# Altium PCB SFPP.PcbDoc (part 3 of 4)
Units mil, origin at the board's own origin, x right, y up, seen from the top; angles counter-clockwise.
Board outline 3543.31 x 4228.35 mil, 8 copper layers (L1_S1, L2_PGND, L3_S2, L4_P1V2, L5_P1V8, L6_S3, L7_PGND, L8_S4), stack 62.6 mil thick; 267 components, 253 nets, 1402 pads, 830 vias.
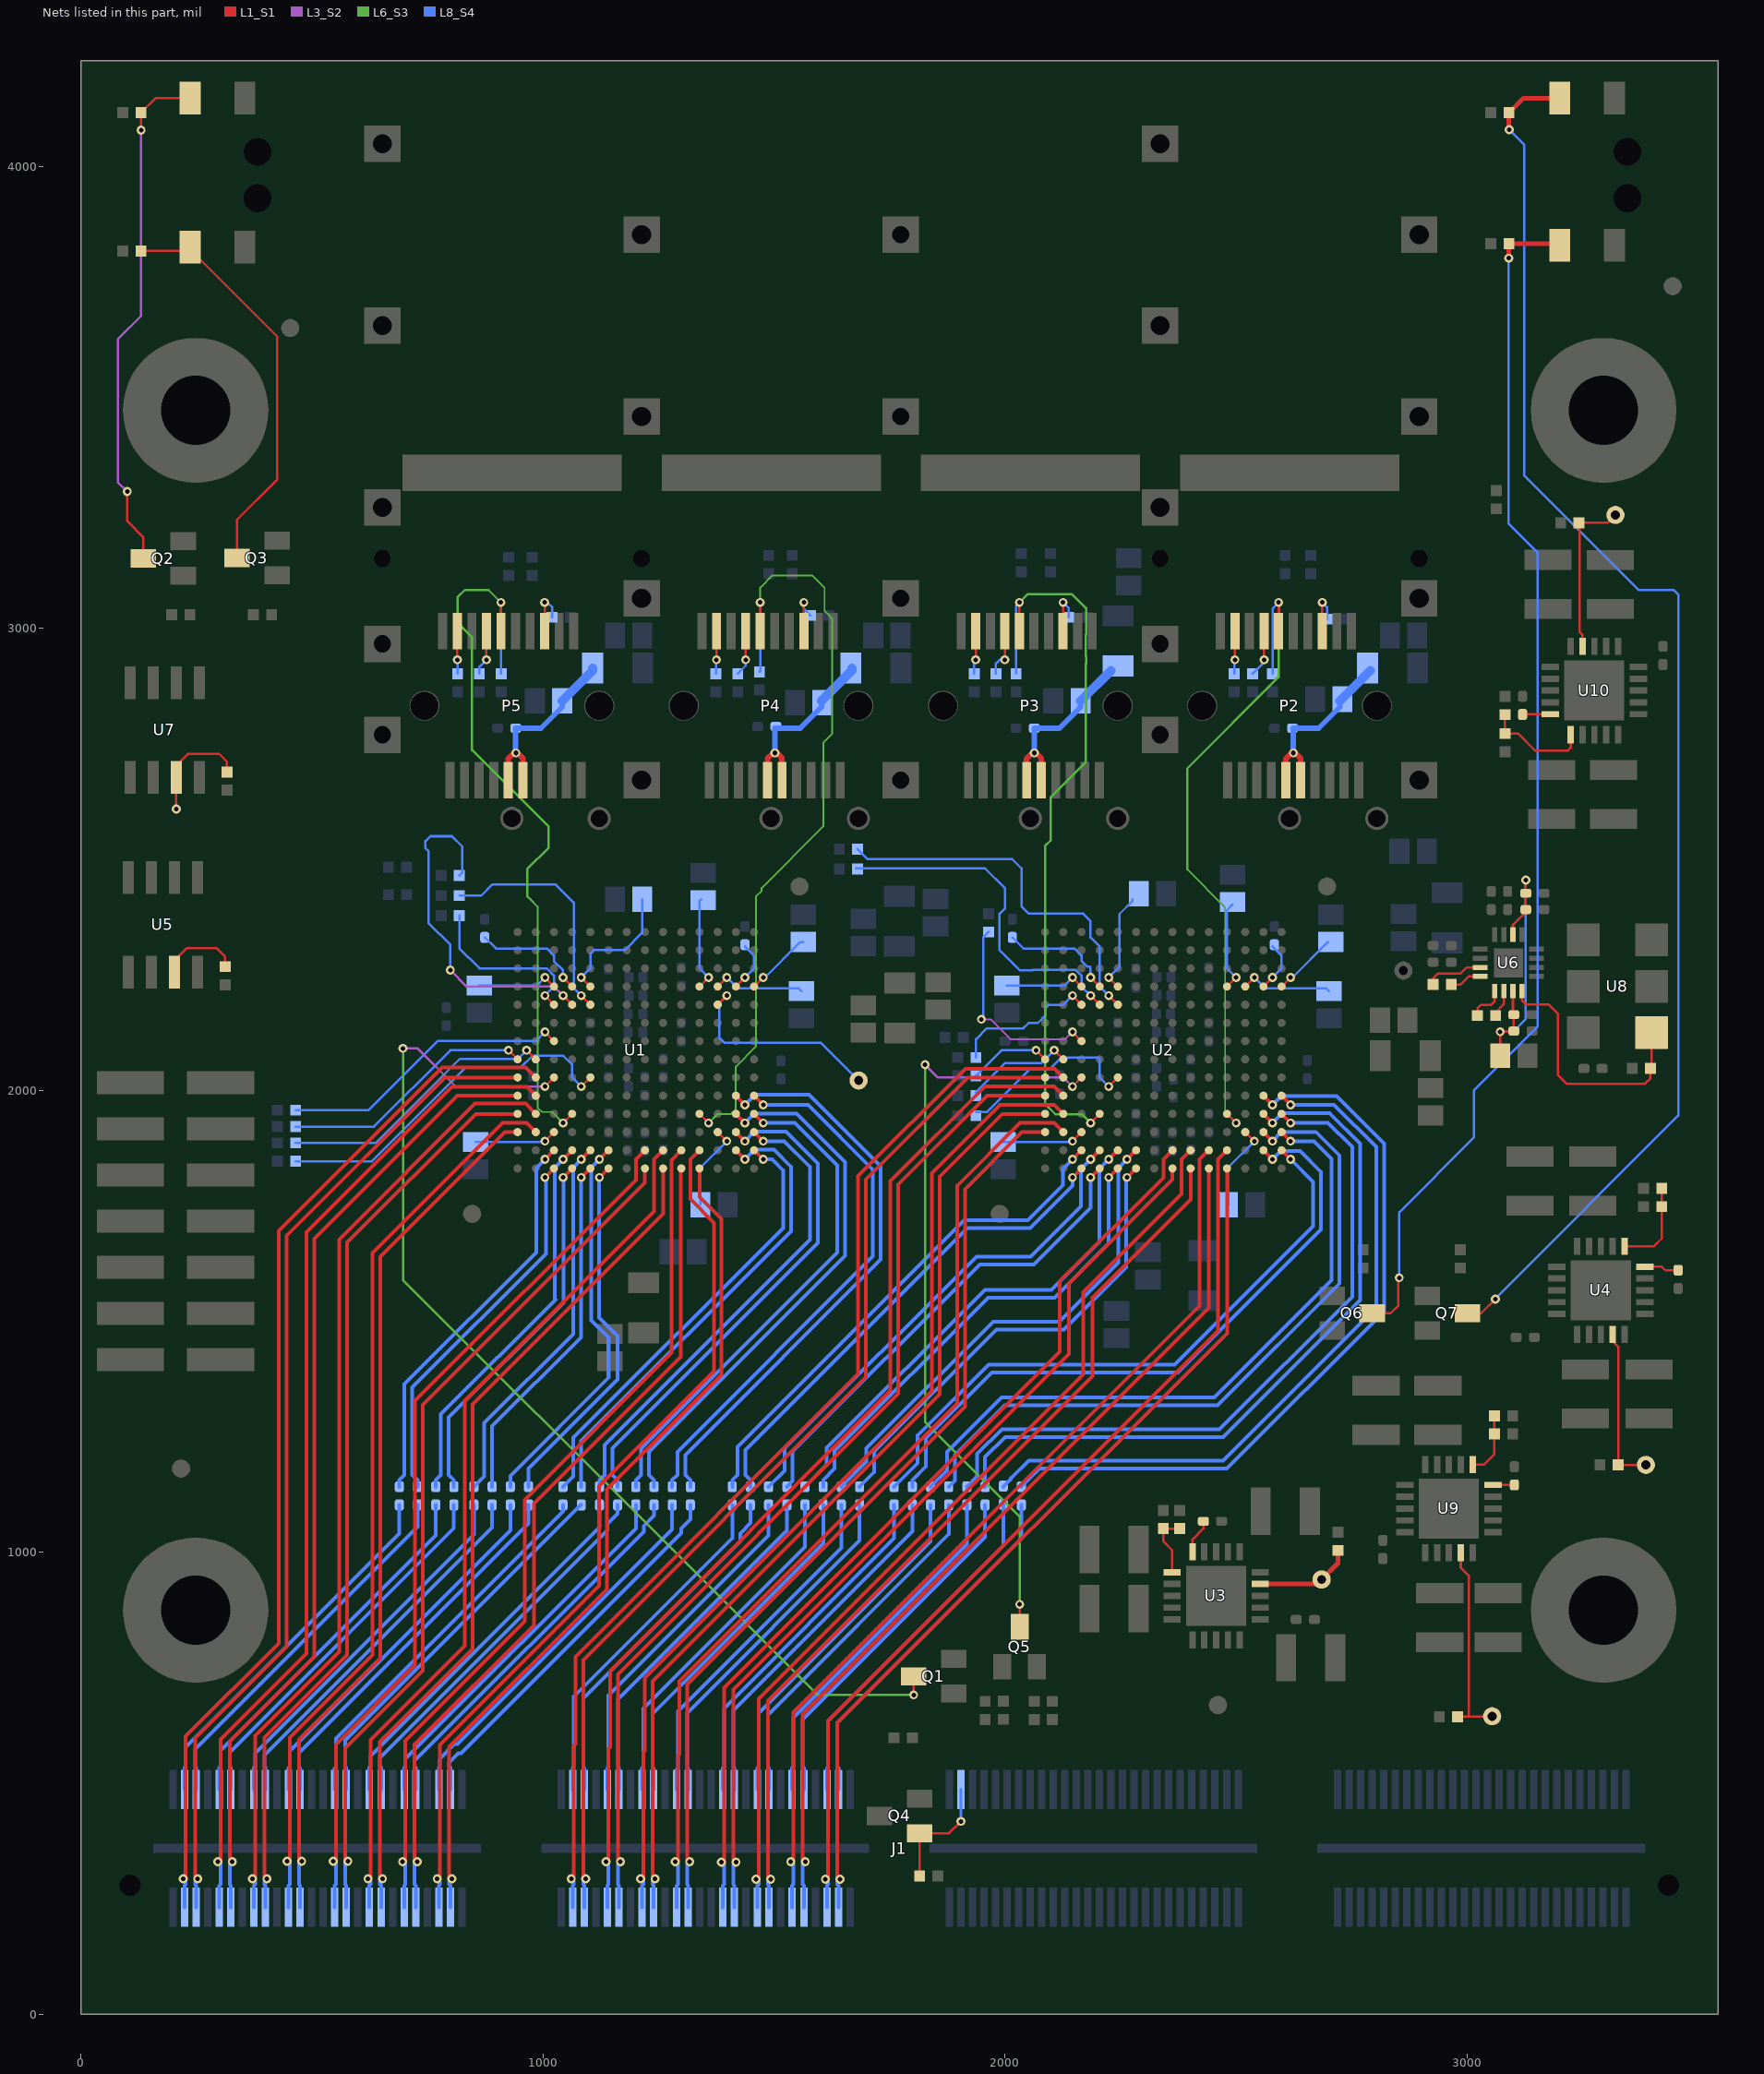
[diagram p9: the nets of this part, all layers, seen from the top]

## Via types
v1: diameter 19.4, hole 10, L1_S1 to L8_S4, tented both sides, 408 vias
v2: diameter 19.4, hole 10, L1_S1 to L8_S4, 170 vias
v3: diameter 19.4, hole 10, L1_S1 to L8_S4, tented bottom, 153 vias
v4: diameter 39.37, hole 19.68, L1_S1 to L8_S4, 44 vias
v5: diameter 25.98, hole 12.99, L1_S1 to L8_S4, tented top, 36 vias
v6: diameter 39.37, hole 19.68, L1_S1 to L8_S4, tented bottom, 11 vias
v7: diameter 20, hole 10, L1_S1 to L8_S4, tented top, 4 vias
v8: diameter 39.37, hole 19.68, L1_S1 to L8_S4, tented top, 2 vias
v9: diameter 19.4, hole 10, L1_S1 to L8_S4, tented top, 1 vias
v10: diameter 39.37, hole 19.68, L1_S1 to L8_S4, tented both sides, 1 vias

## Nets (pads, with @x,y where several pads share a name; then routed paths per layer and width w, separated by ;. In a path a pad name is that pad's centre, name@x,y a point inside that pad or via, vN(x,y) a via of type N, cw(c..) or ccw(c..) an arc to the next point about the centre after c; other vN are vias at no path point) (continued)
MDIO_MODE_EN: J1.C17 Q4.1 R11.2 | length 250.6
  L1_S1 w5: R11.2@1814.96,299.21 Q4.1@1814.96,391.73 1878.73,391.73 v1(1904.29,417.29)
  L8_S4 w6: 1904.29,428.29 J1.C17@1904.29,486.5
MGT_RX_N0: J1.A7 U1.B3 | length 1974.2
  L1_S1 w8: v3(446.09,331) 451.69,336.6 451.69,598.73 631,778.04 631,1647.91 912.23,1929.13 964.57,1929.13 U1.B3@984.25,1909.45
  L8_S4 w8: v3(446.09,331) 451.69,325.4 451.69,280.74 449.29,278.34 J1.A7@449.29,231.5
MGT_RX_N1: J1.A5 U1.B4 | length 2082.9
  L1_S1 w8: v3(371.09,293) 376.69,298.6 376.69,602.73 559,785.04 559,1677.11 852.89,1971 962.07,1971 U1.B4@984.25,1948.82
  L8_S4 w8: v3(371.09,293) 376.69,287.4 376.69,280.74 374.29,278.34 J1.A5@374.29,231.5
MGT_RX_N2: J1.A3 U1.B5 | length 2178.3
  L1_S1 w8: v3(296.09,330) 301.69,335.6 301.69,594.73 488,781.04 488,1692.72 802.28,2007 965.44,2007 U1.B5@984.25,1988.19
  L8_S4 w8: v3(296.09,330) 301.69,324.4 301.69,280.74 299.29,278.34 J1.A3@299.29,231.5
MGT_RX_N3: J1.A1 U1.B6 | length 2270.3
  L1_S1 w8: v3@226.69,293 v3(221.09,293) 226.69,298.6 226.69,601.73 428,803.04 428,1695.72 781.28,2049 962.81,2049 U1.B6@984.25,2027.56
  L8_S4 w8: v3(221.09,293) 226.69,287.4 226.69,280.74 224.29,278.34 J1.A1@224.29,231.5
MGT_RX_N4: J1.A15 U1.L2 | length 1919.4
  L1_S1 w8: v3(771.09,293) 776.69,298.6 776.69,582.73 1121,927.04 1121,1143.04 1370.08,1392.12 1370.08,1712.92 1318.9,1764.1 1318.9,1850.39 U1.L2@1338.58,1870.08
  L8_S4 w8: v3(771.09,293) 776.69,287.4 776.69,280.74 774.29,278.34 J1.A15@774.29,231.5
MGT_RX_N5: J1.A13 U1.K2 | length 1891.7
  L1_S1 w8: v3(696.09,330) 701.69,335.6 701.69,591.97 960,850.28 960,1113.54 1278,1431.54 1278,1848.87 U1.K2@1299.21,1870.08
  L8_S4 w8: v3(696.09,330) 701.69,324.4 701.69,280.74 699.29,278.34 J1.A13@699.29,231.5
MGT_RX_N6: J1.A11 U1.J2 | length 1906.5
  L1_S1 w8: v3(621.09,293) 626.69,298.6 626.69,593.73 831,798.04 831,1328.11 1240.16,1737.27 1240.16,1850.39 U1.J2@1259.84,1870.08
  L8_S4 w8: v3(621.09,293) 626.69,287.4 626.69,280.74 624.29,278.34 J1.A11@624.29,231.5
MGT_RX_N7: J1.A9 U1.H2 | length 1921.2
  L1_S1 w8: v3(546.09,331) 551.69,336.6 551.69,584.02 723,755.34 723,1328 1200.79,1805.79 1200.79,1850.39 U1.H2@1220.47,1870.08
  L8_S4 w8: v3(546.09,331) 551.69,325.4 551.69,280.74 549.29,278.34 J1.A9@549.29,231.5
MGT_RX_N8: J1.B7 U2.B3 | length 2112
  L1_S1 w8: v3(1286.09,330) 1291.69,335.6 1291.69,559.25 1294.89,562.45 1294.89,720.93 1896,1322.04 1896,1793.04 2032.09,1929.13 2106.3,1929.13 U2.B3@2125.98,1909.45
  L8_S4 w8: v3(1286.09,330) 1291.69,324.4 1291.69,280.74 1289.29,278.34 J1.B7@1289.29,231.5
MGT_RX_N9: J1.B5 U2.B4 | length 2213
  L1_S1 w8: v3@1216.69,293 v3(1211.09,293) 1216.69,298.6 1216.69,566.84 1219.89,570.04 1219.89,727.93 1841,1349.04 1841,1820.04 1989.46,1968.5 2106.3,1968.5 U2.B4@2125.98,1948.82
  L8_S4 w8: v3(1211.09,293) 1216.69,287.4 1216.69,280.74 1214.29,278.34 J1.B5@1214.29,231.5
MGT_RX_N10: J1.B3 U2.B5 | length 2297
  L1_S1 w8: v3(1136.09,330) 1141.69,335.6 1141.69,574.43 1144.89,577.63 1144.89,742.93 1752,1350.04 1752,1803.04 1956.83,2007.87 2106.3,2007.87 U2.B5@2125.98,1988.19
  L8_S4 w8: v3(1136.09,330) 1141.69,324.4 1141.69,280.74 1139.29,278.34 J1.B3@1139.29,231.5
MGT_RX_N11: J1.B1 U2.B6 | length 2390.8
  L1_S1 w8: v3(1061.09,293) 1066.69,298.6 1066.69,582.02 1069.89,585.22 1069.89,773.93 1682,1386.04 1682,1814.04 1913.98,2046.02 2107.52,2046.02 U2.B6@2125.98,2027.56
  L8_S4 w8: v3(1061.09,293) 1066.69,287.4 1066.69,280.74 1064.29,278.34 J1.B1@1064.29,231.5
MGT_RX_N12: J1.B15 U2.L2 | length 2001.9
  L1_S1 w8: v3(1611.09,292) 1616.69,297.6 1616.69,634.73 2460.63,1478.67 2460.63,1850.39 U2.L2@2480.31,1870.08
  L8_S4 w8: v3(1611.09,292) 1616.69,286.4 1616.69,280.74 1614.29,278.34 J1.B15@1614.29,231.5
MGT_RX_N13: J1.B13 U2.K2 | length 2016.7
  L1_S1 w8: v3(1536.09,330) 1541.69,335.6 1541.69,653.73 2421.26,1533.3 2421.26,1850.39 U2.K2@2440.94,1870.08
  L8_S4 w8: v3(1536.09,330) 1541.69,324.4 1541.69,280.74 1539.29,278.34 J1.B13@1539.29,231.5
MGT_RX_N14: J1.B11 U2.J2 | length 2037.1
  L1_S1 w8: v3@1466.69,292 v3(1461.09,292) 1466.69,297.6 1466.69,682.73 2169.29,1385.33 2169.29,1562.99 2381.89,1775.59 2381.89,1850.39 U2.J2@2401.57,1870.08
  L8_S4 w8: v3(1461.09,292) 1466.69,286.4 1466.69,280.74 1464.29,278.34 J1.B11@1464.29,231.5
MGT_RX_N15: J1.B9 U2.H2 | length 2051.8
  L1_S1 w8: v3@1391.69,329 v3(1386.09,329) 1391.69,334.6 1391.69,706.69 2118.5,1433.5 2118.5,1586.5 2342.52,1810.52 2342.52,1850.39 U2.H2@2362.2,1870.08
  L8_S4 w8: v3(1386.09,329) 1391.69,323.4 1391.69,280.74 1389.29,278.34 J1.B9@1389.29,231.5
MGT_RX_P0: J1.A8 U1.A3 | length 1895.6
  L1_S1 w8: v3(477.49,331) 471.89,336.6 471.89,594.89 648,771 648,1640.13 917.32,1909.45 U1.A3@944.88,1909.45
  L8_S4 w8: J1.A8@474.29,231.5 474.29,278.34 471.89,280.74 471.89,325.4 v3(477.49,331)
MGT_RX_P1: J1.A6 U1.A4 | length 2003
  L1_S1 w8: v3(402.49,293) 396.89,298.6 396.89,598.89 576,778 576,1670.49 854.33,1948.82 U1.A4@944.88,1948.82
  L8_S4 w8: J1.A6@399.29,231.5 399.29,278.34 396.89,280.74 396.89,287.4 v3(402.49,293)
MGT_RX_P2: J1.A4 U1.A5 | length 2096.5
  L1_S1 w8: v3(327.49,330) 321.89,335.6 321.89,590.89 505,774 505,1678.23 814.96,1988.19 U1.A5@944.88,1988.19
  L8_S4 w8: J1.A4@324.29,231.5 324.29,278.34 321.89,280.74 321.89,324.4 v3(327.49,330)
MGT_RX_P3: J1.A2 U1.A6 | length 2183.1
  L1_S1 w8: v3(252.49,293) 246.89,298.6 246.89,597.89 445,796 445,1685.16 787.4,2027.56 U1.A6@944.88,2027.56
  L8_S4 w8: J1.A2@249.29,231.5 249.29,278.34 246.89,280.74 246.89,287.4 v3(252.49,293)
MGT_RX_P4: J1.A16 U1.L1 | length 1868.4
  L1_S1 w8: v3(802.49,293) 796.89,298.6 796.89,578.89 1138,920 1138,1136 1385.83,1383.83 1385.83,1721.21 1338.58,1768.46 U1.L1@1338.58,1830.71
  L8_S4 w8: J1.A16@799.29,231.5 799.29,278.34 796.89,280.74 796.89,287.4 v3(802.49,293)
MGT_RX_P5: J1.A14 U1.K1 | length 1844
  L1_S1 w8: v3(727.49,330) 721.89,335.6 721.89,583.89 980,842 980,1105.26 1298,1423.26 1298,1829.5 U1.K1@1299.21,1830.71
  L8_S4 w8: J1.A14@724.29,231.5 724.29,278.34 721.89,280.74 721.89,324.4 v3(727.49,330)
MGT_RX_P6: J1.A12 U1.J1 | length 1858.7
  L1_S1 w8: v3(652.49,293) 646.89,298.6 646.89,589.89 848,791 848,1320.44 1259.84,1732.28 U1.J1@1259.84,1830.71
  L8_S4 w8: J1.A12@649.29,231.5 649.29,278.34 646.89,280.74 646.89,287.4 v3(652.49,293)
MGT_RX_P7: J1.A10 U1.H1 | length 1873.5
  L1_S1 w8: v3(577.49,331) 571.89,336.6 571.89,575.66 740,743.77 740,1319 1220.47,1799.47 U1.H1@1220.47,1830.71
  L8_S4 w8: J1.A10@574.29,231.5 574.29,278.34 571.89,280.74 571.89,325.4 v3(577.49,331)
MGT_RX_P8: J1.B8 U2.A3 | length 2033.9
  L1_S1 w8: v3(1317.49,330) 1311.89,335.6 1311.89,713.89 1913,1315 1913,1786 2036.45,1909.45 U2.A3@2086.61,1909.45
  L8_S4 w8: J1.B8@1314.29,231.5 1314.29,278.34 1311.89,280.74 1311.89,324.4 v3(1317.49,330)
MGT_RX_P9: J1.B6 U2.A4 | length 2129.3
  L1_S1 w8: v3(1242.49,293) 1236.89,298.6 1236.89,720.89 1858,1342 1858,1813 1993.82,1948.82 U2.A4@2086.61,1948.82
  L8_S4 w8: J1.B6@1239.29,231.5 1239.29,278.34 1236.89,280.74 1236.89,287.4 v3(1242.49,293)
MGT_RX_P10: J1.B4 U2.A5 | length 2218.8
  L1_S1 w8: v3(1167.49,330) 1161.89,335.6 1161.89,735.89 1769,1343 1769,1796 1961.19,1988.19 U2.A5@2086.61,1988.19
  L8_S4 w8: J1.B4@1164.29,231.5 1164.29,278.34 1161.89,280.74 1161.89,324.4 v3(1167.49,330)
MGT_RX_P11: J1.B2 U2.A6 | length 2313.7
  L1_S1 w8: v3(1092.49,293) 1086.89,298.6 1086.89,766.89 1699,1379 1699,1807 1919.56,2027.56 U2.A6@2086.61,2027.56
  L8_S4 w8: J1.B2@1089.29,231.5 1089.29,278.34 1086.89,280.74 1086.89,287.4 v3(1092.49,293)
MGT_RX_P12: J1.B16 U2.L1 | length 1954.2
  L1_S1 w8: v3(1642.49,292) 1636.89,297.6 1636.89,630.89 2480.31,1474.31 U2.L1@2480.31,1830.71
  L8_S4 w8: J1.B16@1639.29,231.5 1639.29,278.34 1636.89,280.74 1636.89,286.4 v3(1642.49,292)
MGT_RX_P13: J1.B14 U2.K1 | length 1969
  L1_S1 w8: v3(1567.49,330) 1561.89,335.6 1561.89,649.89 2440.94,1528.94 U2.K1@2440.94,1830.71
  L8_S4 w8: J1.B14@1564.29,231.5 1564.29,278.34 1561.89,280.74 1561.89,324.4 v3(1567.49,330)
MGT_RX_P14: J1.B12 U2.J1 | length 1983.7
  L1_S1 w8: v3(1492.49,292) 1486.89,297.6 1486.89,678.89 2188.98,1380.98 2188.98,1551.18 2401.57,1763.78 U2.J1@2401.57,1830.71
  L8_S4 w8: J1.B12@1489.29,231.5 1489.29,278.34 1486.89,280.74 1486.89,286.4 v3(1492.49,292)
MGT_RX_P15: J1.B10 U2.H1 | length 1998.5
  L1_S1 w8: v3(1417.49,329) 1411.89,334.6 1411.89,702.85 2137.8,1428.75 2137.8,1581.75 2362.2,1806.16 U2.H1@2362.2,1830.71
  L8_S4 w8: J1.B10@1414.29,231.5 1414.29,278.34 1411.89,280.74 1411.89,323.4 v3(1417.49,329)
MGT_TX_AC_N0: C7.1 U1.F2 | length 847.7
  L1_S1 w8: v1(1122.05,1850.39) U1.F2@1141.73,1870.08
  L8_S4 w8: C7.1@929.13,1141.73 929.13,1165.35 1141.73,1377.95 1141.73,1421.26 1141.73,1464.57 1104,1502.3 1104,1832.35 v1(1122.05,1850.39)
MGT_TX_AC_N1: C5.1 U1.E2 | length 832.7
  L1_S1 w8: v1(1082.68,1850.39) U1.E2@1102.36,1870.08
  L8_S4 w8: C5.1@850.39,1141.73 872.76,1164.1 872.76,1279.81 1065,1472.04 1065,1803.64 1064.98,1832.69 v1(1082.68,1850.39)
MGT_TX_AC_N2: C3.1 U1.D2 | length 851.8
  L1_S1 w8: v1(1043.31,1850.39) U1.D2@1062.99,1870.08
  L8_S4 w8: C3.1@767.72,1141.73 767.72,1156.34 778.9,1167.53 778.9,1299.04 1027,1547.14 1025.61,1548.53 1025.61,1832.69 v1(1043.31,1850.39)
MGT_TX_AC_N3: C1.1 U1.C2 | length 867
  L1_S1 w8: v1(1003.94,1850.39) U1.C2@1023.62,1870.08
  L8_S4 w8: C1.1@688.98,1141.73 688.98,1156.34 700.16,1167.53 700.16,1364.2 985,1649.04 985,1831.46 v1(1003.94,1850.39)
MGT_TX_AC_N4: C15.1 U1.P5 | length 1189.9
  L1_S1 w8: U1.P5@1456.69,1988.19 v1(1476.38,1968.5)
  L8_S4 w8: C15.1@1279.53,1141.73 1279.53,1156.34 1290.71,1167.53 1290.71,1217.04 1714,1640.33 1714,1828 1573.5,1968.5 v1(1476.38,1968.5)
MGT_TX_AC_N5: C13.1 U1.P4 | length 1102.6
  L1_S1 w8: U1.P4@1456.69,1948.82 v1(1476.38,1929.13)
  L8_S4 w8: C13.1@1200.79,1141.73 1200.79,1156.34 1211.97,1167.53 1211.97,1224.04 1637,1649.07 1637,1837 1544.87,1929.13 v1(1476.38,1929.13)
MGT_TX_AC_N6: C11.1 U1.P3 | length 1033.7
  L1_S1 w8: U1.P3@1456.69,1909.45 v1(1476.38,1889.76)
  L8_S4 w8: C11.1@1122.05,1141.73 1122.05,1156.34 1133.23,1167.53 1133.23,1232.27 1578,1677.04 1578,1834 1522.24,1889.76 v1(1476.38,1889.76)
MGT_TX_AC_N7: C9.1 U1.P2 | length 963.3
  L1_S1 w8: U1.P2@1456.69,1870.08 v1(1476.38,1850.39)
  L8_S4 w8: C9.1@1043.31,1141.73 1065.68,1164.1 1065.68,1247.72 1520,1702.04 1520,1826 1495.61,1850.39 v1(1476.38,1850.39)
MGT_TX_AC_N8: C23.1 U2.F2 | length 1076.3
  L1_S1 w8: v1(2263.78,1850.39) U2.F2@2283.46,1870.08
  L8_S4 w8: C23.1@1645.67,1141.73 1700,1196.06 1700,1225.04 1973.96,1499 2117.03,1499 2245,1626.97 2245,1831.61 v1(2263.78,1850.39)
MGT_TX_AC_N9: C21.1 U2.E2 | length 1093.2
  L1_S1 w8: v1(2224.41,1850.39) U2.E2@2244.09,1870.08
  L8_S4 w8: C21.1@1566.93,1141.73 1614,1188.8 1614,1226.04 1955.96,1568 2100,1568 2204,1672 2204,1829.98 v1(2224.41,1850.39)
MGT_TX_AC_N10: C19.1 U2.D2 | length 1093.7
  L1_S1 w8: v1(2185.04,1850.39) U2.D2@2204.72,1870.08
  L8_S4 w8: C19.1@1488.19,1141.73 1523.13,1176.67 1523.13,1225.17 1937.96,1640 2055,1640 2164,1749 2164,1829.35 v1(2185.04,1850.39)
MGT_TX_AC_N11: C17.1 U2.C2 | length 1121.9
  L1_S1 w8: v1(2145.67,1850.39) U2.C2@2165.35,1870.08
  L8_S4 w8: C17.1@1409.45,1141.73 1409.45,1156.34 1420.63,1167.53 1420.63,1228.04 1911.59,1719 2049,1719 2125,1795 2125,1829.72 v1(2145.67,1850.39)
MGT_TX_AC_N12: C31.1 U2.P5 | length 1566.5
  L1_S1 w8: U2.P5@2598.43,1988.19 v1(2618.11,1968.5)
  L8_S4 w8: C31.1@1996.06,1141.73 2012.72,1158.39 2012.72,1159.72 2051,1198 2471.62,1198 2803,1529.38 2803,1877 2711.5,1968.5 v1(2618.11,1968.5)
MGT_TX_AC_N13: C29.1 U2.P4 | length 1538.9
  L1_S1 w8: U2.P4@2598.43,1948.82 v1(2618.11,1929.13)
  L8_S4 w8: C29.1@1917.32,1141.73 1939.69,1164.1 1939.69,1212.73 1992.96,1266 2464.12,1266 2751,1552.88 2751,1877 2698.87,1929.13 v1(2618.11,1929.13)
MGT_TX_AC_N14: C27.1 U2.P3 | length 1471.8
  L1_S1 w8: U2.P3@2598.43,1909.45 v1(2618.11,1889.76)
  L8_S4 w8: C27.1@1838.58,1141.73 1874.13,1177.28 1874.13,1217.17 1991.96,1335 2453,1335 2707,1589 2707,1851 2668.24,1889.76 v1(2618.11,1889.76)
MGT_TX_AC_N15: C25.1 U2.P2 | length 1368.6
  L1_S1 w8: U2.P2@2598.43,1870.08 v1(2618.11,1850.39)
  L8_S4 w8: C25.1@1759.84,1141.73 1811,1192.89 1811,1253.04 1963.96,1406 2367,1406 2667,1706 2667,1801.5 v1(2618.11,1850.39)
MGT_TX_AC_P0: C8.1 U1.F1 | length 794.2
  L1_S1 w8: v1(1122.05,1811.02) U1.F1@1141.73,1830.71
  L8_S4 w8: C8.1@968.5,1141.73 968.5,1181.1 1161.42,1374.02 1161.42,1467.46 1121,1507.87 1121,1809.98 v1(1122.05,1811.02)
MGT_TX_AC_P1: C6.1 U1.E1 | length 777
  L1_S1 w8: v1(1082.68,1811.02) U1.E1@1102.36,1830.71
  L8_S4 w8: C6.1@889.76,1141.73 889.76,1272.76 1082,1465 1082,1810.35 v1(1082.68,1811.02)
MGT_TX_AC_P2: C4.1 U1.D1 | length 804.8
  L1_S1 w8: v1(1043.31,1811.02) U1.D1@1062.99,1830.71
  L8_S4 w8: C4.1@807.09,1141.73 807.09,1156.34 795.9,1167.53 795.9,1292 1044,1540.1 1044,1810.33 v1(1043.31,1811.02)
MGT_TX_AC_P3: C2.1 U1.C1 | length 822.3
  L1_S1 w8: v1(1003.94,1811.02) U1.C1@1023.62,1830.71
  L8_S4 w8: C2.1@728.35,1141.73 728.35,1156.34 717.16,1167.53 717.16,1357.16 1006,1646 1006,1808.96 v1(1003.94,1811.02)
MGT_TX_AC_P4: C16.1 U1.N5 | length 1268.2
  L1_S1 w8: U1.N5@1417.32,1988.19 v1(1437.01,1968.5)
  L8_S4 w8: C16.1@1318.9,1141.73 1318.9,1156.34 1307.71,1167.53 1307.71,1210 1731,1633.29 1731,1835.04 1576.04,1990 1458.51,1990 v1(1437.01,1968.5)
MGT_TX_AC_P5: C14.1 U1.N4 | length 1179.5
  L1_S1 w8: U1.N4@1417.32,1948.82 v1(1437.01,1929.13)
  L8_S4 w8: C14.1@1240.16,1141.73 1240.16,1156.34 1228.97,1167.53 1228.97,1217 1654,1642.03 1654,1844.04 1549.04,1949 1456.88,1949 v1(1437.01,1929.13)
MGT_TX_AC_P6: C12.1 U1.N3 | length 1110.9
  L1_S1 w8: U1.N3@1417.32,1909.45 v1(1437.01,1889.76)
  L8_S4 w8: C12.1@1161.42,1141.73 1161.42,1156.34 1150.23,1167.53 1150.23,1225.23 1595,1670 1595,1841.04 1526.04,1910 1457.25,1910 v1(1437.01,1889.76)
MGT_TX_AC_P7: C10.1 U1.N2 | length 1032.1
  L1_S1 w8: U1.N2@1417.32,1870.08 v1(1437.01,1850.39)
  L8_S4 w8: C10.1@1082.68,1141.73 1082.68,1240.68 1537,1695 1537,1834 1500,1871 1457.62,1871 v1(1437.01,1850.39)
MGT_TX_AC_P8: C24.1 U2.F1 | length 1024.2
  L1_S1 w8: v1(2263.78,1811.02) U2.F1@2283.46,1830.71
  L8_S4 w8: C24.1@1685.04,1141.73 1717,1173.69 1717,1218 1981,1482 2127.59,1482 2262.02,1616.43 2262.02,1809.26 v1(2263.78,1811.02) v1@2262.73,1809.98
MGT_TX_AC_P9: C22.1 U2.E1 | length 1038.5
  L1_S1 w8: v1(2224.41,1811.02) U2.E1@2244.09,1830.71
  L8_S4 w8: C22.1@1606.3,1141.73 1606.3,1156.34 1631,1181.04 1631,1219 1963,1551 2107.04,1551 2224.41,1668.37 v1(2224.41,1811.02) v1@2223.73,1810.35
MGT_TX_AC_P10: C20.1 U2.D1 | length 1039
  L1_S1 w8: v1(2185.04,1811.02) U2.D1@2204.72,1830.71
  L8_S4 w8: C20.1@1527.56,1141.73 1540.13,1154.3 1540.13,1218.13 1945,1623 2062.04,1623 2185.04,1746 v1(2185.04,1811.02) v1@2185.73,1810.33
MGT_TX_AC_P11: C18.1 U2.C1 | length 1077.3
  L1_S1 w8: v1(2145.67,1811.02) U2.C1@2165.35,1830.71
  L8_S4 w8: C18.1@1448.82,1141.73 1448.82,1156.34 1437.63,1167.53 1437.63,1221 1918.63,1702 2054,1702 2145.67,1793.67 v1(2145.67,1811.02) v1@2147.73,1808.96
MGT_TX_AC_P12: C32.1 U2.N5 | length 1624.2
  L1_S1 w8: U2.N5@2559.06,1988.19 v1(2578.74,1968.5)